# Altium PCB UmTRXv2.PcbDoc (part 14 of 25) (continued)
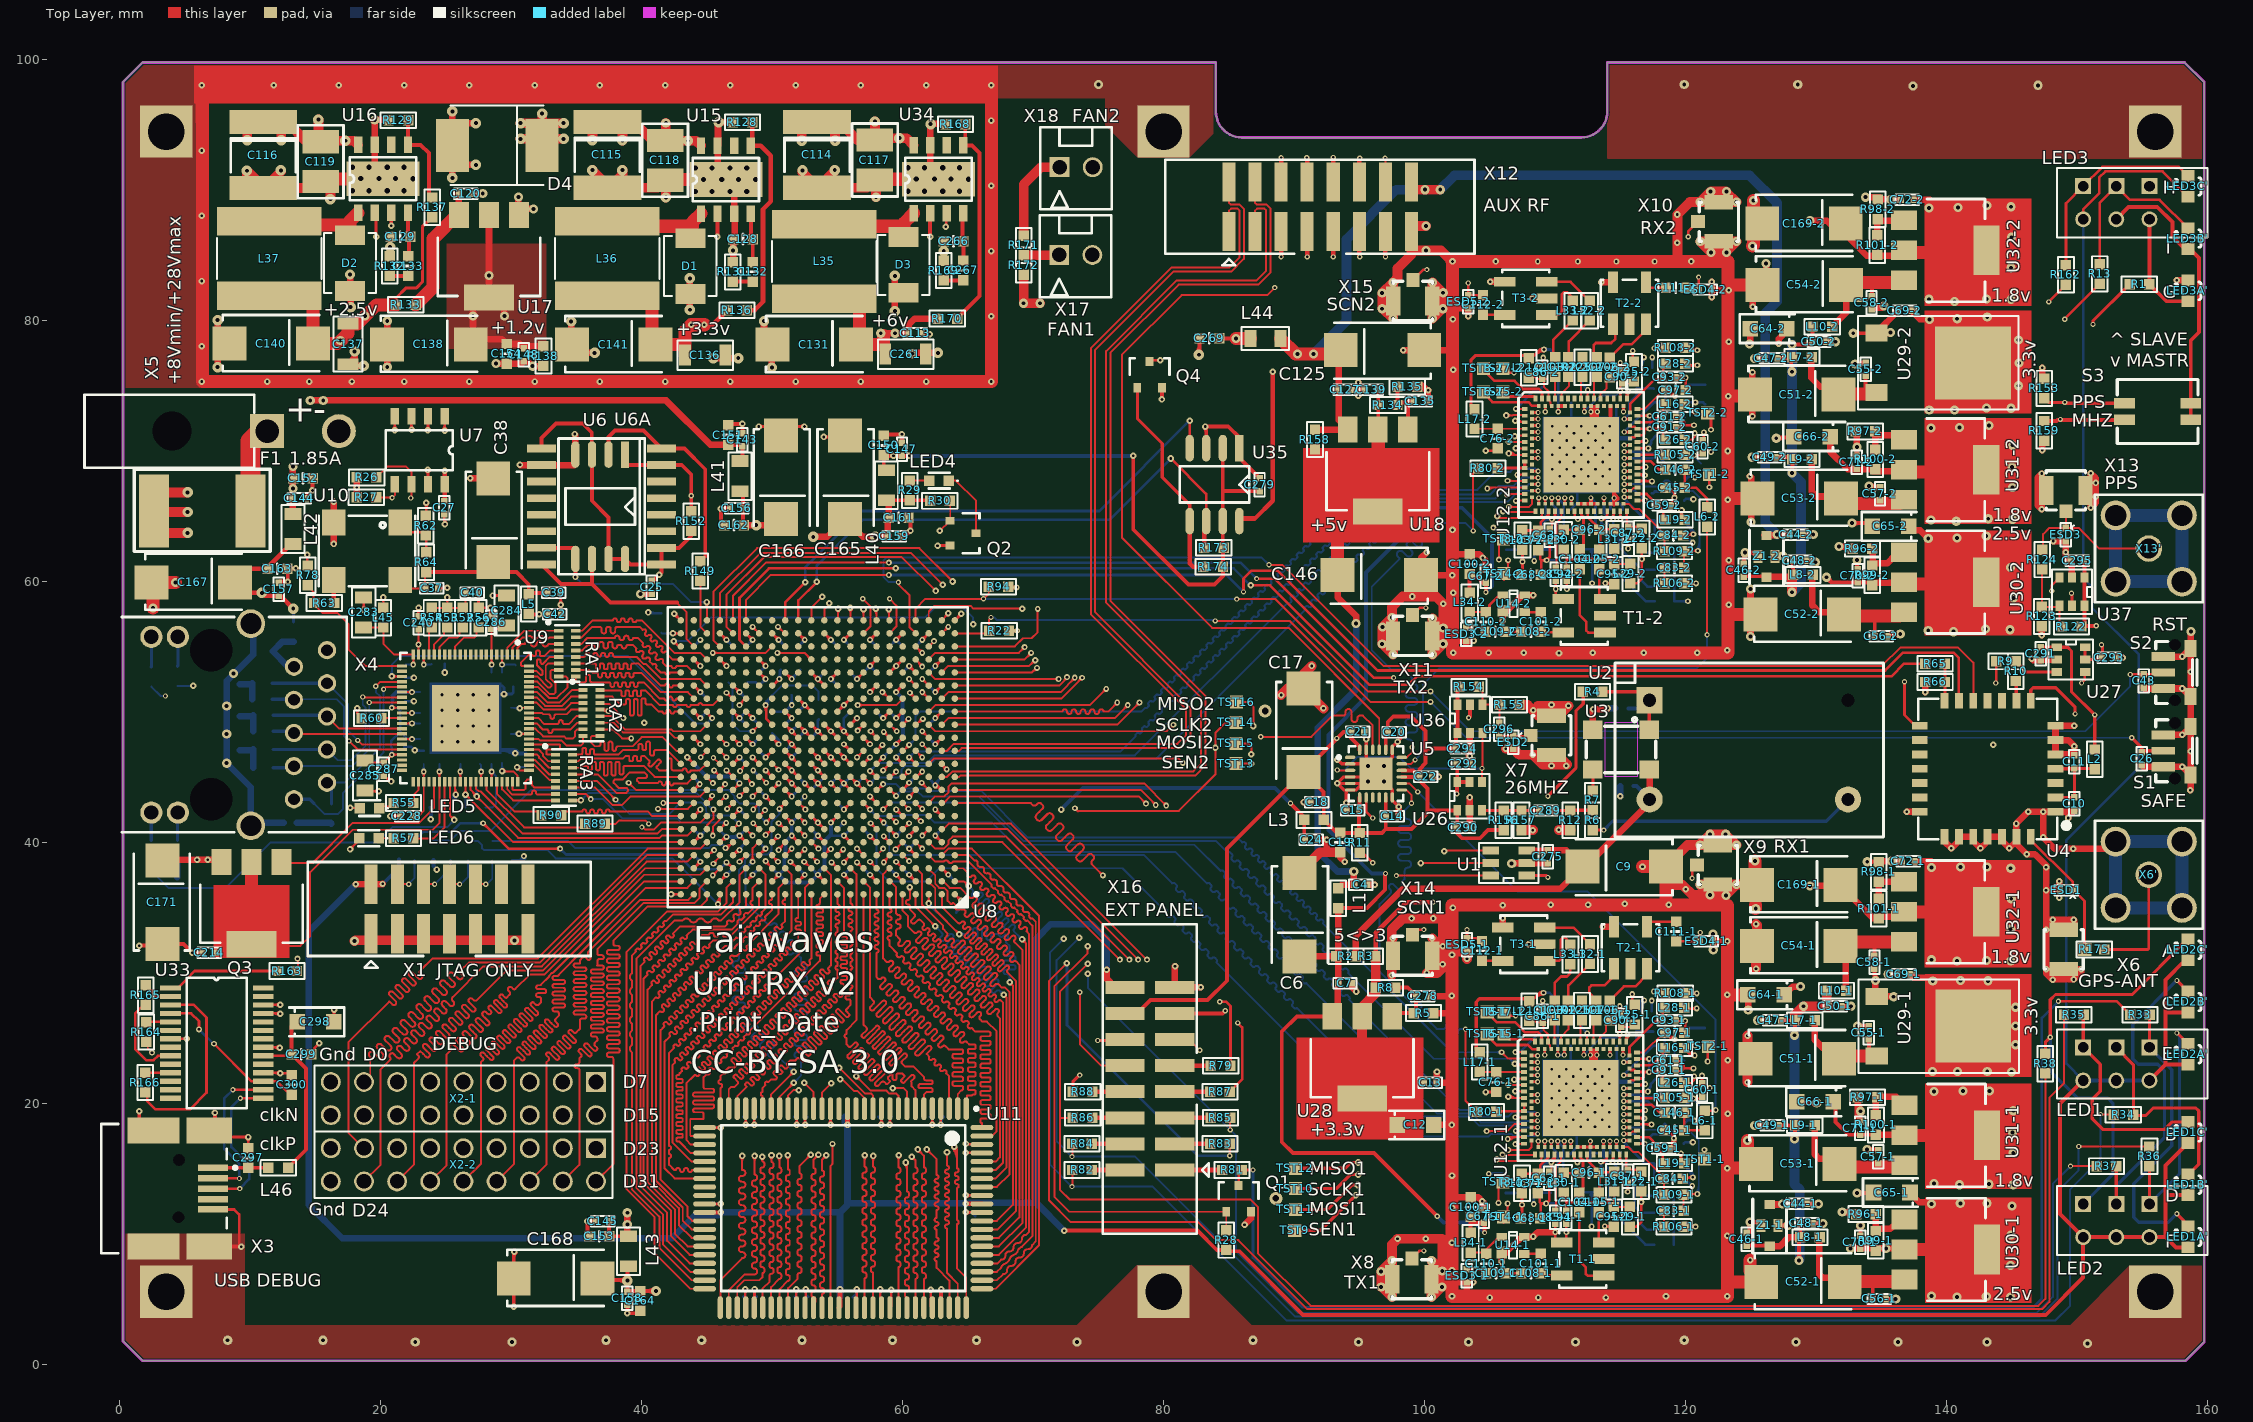
[diagram p0: Top Layer view]
## Nets (pads, with @x,y where several pads share a name; then routed paths per layer and width w, separated by ;. In a path a pad name is that pad's centre, name@x,y a point inside that pad or via, vN(x,y) a via of type N, cw(c..) or ccw(c..) an arc to the next point about the centre after c; other vN are vias at no path point) (continued)
NetR104-2_2: R104-2.2 U12-2.72 | length 6
  Top Layer w0.2: v4@115.321,69.43 U12-2.72@115.746,69.43 ; v4@115.367,69.359 cw(c115.537,69.188) 115.537,69.43 ; v4@115.367,69.359 cw(c115.537,69.188) 115.537,69.43 ; v4@115.367,69.359 cw(c115.537,69.188) 115.537,69.43 ; v4@115.367,69.501 ccw(c115.537,69.671) 115.537,69.43 ; v4@115.367,69.501 ccw(c115.537,69.671) 115.537,69.43 ; v4@115.367,69.501 ccw(c115.537,69.671) 115.537,69.43
  Bottom Layer w0.2: v4(115.296,69.43) 118.046,69.43 R104-2.2@118.446,69.03 ; v4@115.367,69.359 cw(c115.537,69.188) 115.537,69.43 ; v4@115.367,69.359 cw(c115.537,69.188) 115.537,69.43 ; v4@115.367,69.359 cw(c115.537,69.188) 115.537,69.43 ; v4@115.367,69.501 ccw(c115.537,69.671) 115.537,69.43 ; v4@115.367,69.501 ccw(c115.537,69.671) 115.537,69.43 ; v4@115.367,69.501 ccw(c115.537,69.671) 115.537,69.43
NetR105-1_2: R105-1.2 U12-1.73 | length 2.2
  Top Layer w0.2: U12-1.73@116.282,20.388 118.232,20.388 R105-1.2@118.407,20.563
NetR105-2_2: R105-2.2 U12-2.73 | length 2.2
  Top Layer w0.2: U12-2.73@116.321,69.68 118.271,69.68 R105-2.2@118.446,69.855
NetR107-1_2: R107-1.2 R114-1.1 | length 1.3
  Bottom Layer w0.2: R107-1.2@106.211,13.108 R114-1.1@107.461,13.108
NetR107-2_2: R107-2.2 R114-2.1 | length 1.3
  Bottom Layer w0.2: R107-2.2@106.25,62.4 R114-2.1@107.5,62.4
NetR108-1_2: R108-1.2 U12-1.89 | length 12.8
  Top Layer w0.2: v4@115.207,23.713 U12-1.89@115.207,24.138 ; v2(117.561,28.558) 118.311,28.558 R108-1.2@118.461,28.408 ; v4@115.136,23.759 ccw(c114.966,23.93) 115.207,23.93 ; v4@115.136,23.759 ccw(c114.966,23.93) 115.207,23.93 ; v4@115.136,23.759 ccw(c114.966,23.93) 115.207,23.93 ; 115.207,23.93 ccw(c115.448,23.93) v4@115.278,23.759 ; 115.207,23.93 ccw(c115.448,23.93) v4@115.278,23.759 ; 115.207,23.93 ccw(c115.448,23.93) v4@115.278,23.759 ; v2@117.649,28.47 cw(c117.863,28.256) 117.863,28.558 ; v2@117.649,28.47 cw(c117.863,28.256) 117.863,28.558 ; v2@117.649,28.47 cw(c117.863,28.256) 117.863,28.558 ; v2@117.649,28.647 ccw(c117.863,28.86) 117.863,28.558 ; v2@117.649,28.647 ccw(c117.863,28.86) 117.863,28.558 ; v2@117.649,28.647 ccw(c117.863,28.86) 117.863,28.558
  MidLayer1 w0.2: v4(115.207,23.688) 116.061,24.542 116.061,27.858 116.761,28.558 v2(117.561,28.558) ; v4@115.207,23.788 ccw(c115.207,24.03) 115.378,23.859 ; v4@115.207,23.788 ccw(c115.207,24.03) 115.378,23.859 ; v4@115.207,23.788 ccw(c115.207,24.03) 115.378,23.859 ; v4@115.307,23.688 cw(c115.548,23.688) 115.378,23.859 ; v4@115.307,23.688 cw(c115.548,23.688) 115.378,23.859 ; v4@115.307,23.688 cw(c115.548,23.688) 115.378,23.859 ; 117.259,28.558 cw(c117.259,28.256) v2@117.473,28.47 ; 117.259,28.558 ccw(c117.259,28.86) v2@117.473,28.647 ; 117.259,28.558 ccw(c117.259,28.86) v2@117.473,28.647 ; 117.259,28.558 cw(c117.259,28.256) v2@117.473,28.47 ; 117.259,28.558 ccw(c117.259,28.86) v2@117.473,28.647 ; 117.259,28.558 cw(c117.259,28.256) v2@117.473,28.47
NetR108-2_2: R108-2.2 U12-2.89 | length 12.8
  Top Layer w0.2: v4@115.246,73.005 U12-2.89@115.246,73.43 ; v2(117.6,77.85) 118.35,77.85 R108-2.2@118.5,77.7 ; v4@115.175,73.051 ccw(c115.005,73.221) 115.246,73.221 ; v4@115.175,73.051 ccw(c115.005,73.221) 115.246,73.221 ; v4@115.175,73.051 ccw(c115.005,73.221) 115.246,73.221 ; 115.246,73.221 ccw(c115.487,73.221) v4@115.317,73.051 ; 115.246,73.221 ccw(c115.487,73.221) v4@115.317,73.051 ; 115.246,73.221 ccw(c115.487,73.221) v4@115.317,73.051 ; v2@117.688,77.762 cw(c117.902,77.548) 117.902,77.85 ; v2@117.688,77.762 cw(c117.902,77.548) 117.902,77.85 ; v2@117.688,77.762 cw(c117.902,77.548) 117.902,77.85 ; v2@117.688,77.938 ccw(c117.902,78.152) 117.902,77.85 ; v2@117.688,77.938 ccw(c117.902,78.152) 117.902,77.85 ; v2@117.688,77.938 ccw(c117.902,78.152) 117.902,77.85
  MidLayer1 w0.2: v4(115.246,72.98) 116.1,73.834 116.1,77.15 116.8,77.85 v2(117.6,77.85) ; v4@115.246,73.08 ccw(c115.246,73.321) 115.417,73.151 ; v4@115.246,73.08 ccw(c115.246,73.321) 115.417,73.151 ; v4@115.246,73.08 ccw(c115.246,73.321) 115.417,73.151 ; v4@115.346,72.98 cw(c115.587,72.98) 115.417,73.151 ; v4@115.346,72.98 cw(c115.587,72.98) 115.417,73.151 ; v4@115.346,72.98 cw(c115.587,72.98) 115.417,73.151 ; 117.298,77.85 cw(c117.298,77.548) v2@117.512,77.762 ; 117.298,77.85 ccw(c117.298,78.152) v2@117.512,77.938 ; 117.298,77.85 ccw(c117.298,78.152) v2@117.512,77.938 ; 117.298,77.85 cw(c117.298,77.548) v2@117.512,77.762 ; 117.298,77.85 ccw(c117.298,78.152) v2@117.512,77.938 ; 117.298,77.85 cw(c117.298,77.548) v2@117.512,77.762
NetR110-1_2: R110-1.2 U12-1.52 | length 14
  Top Layer w0.2: v2(113.511,15.508) 113.761,15.508 ; U12-1.52@113.957,16.063 113.957,15.704 ; v2@113.483,15.439 ccw(c113.574,15.662) 113.744,15.491 ; v2@113.483,15.439 ccw(c113.574,15.662) 113.744,15.491 ; v2@113.483,15.439 ccw(c113.574,15.662) 113.744,15.491 ; v2@113.558,15.624 ccw(c113.697,15.964) 113.957,15.704 ; v2@113.558,15.624 ccw(c113.697,15.964) 113.957,15.704 ; v2@113.558,15.624 ccw(c113.697,15.964) 113.957,15.704 ; v2@113.611,15.433 cw(c113.761,15.321) 113.761,15.508 ; v2@113.611,15.433 cw(c113.761,15.321) 113.761,15.508 ; v2@113.611,15.433 cw(c113.761,15.321) 113.761,15.508 ; v2@113.611,15.583 ccw(c113.761,15.696) 113.761,15.508 ; v2@113.611,15.583 ccw(c113.761,15.696) 113.761,15.508 ; v2@113.611,15.583 ccw(c113.761,15.696) 113.761,15.508 ; 113.761,15.508 113.957,15.704
  Bottom Layer w0.2: v2(113.511,15.508) 113.511,15.158 114.161,14.508 114.161,11.908 116.911,9.158 R110-1.2@117.611,9.158 ; v2@113.423,15.42 cw(c113.209,15.206) 113.511,15.206 ; v2@113.423,15.42 cw(c113.209,15.206) 113.511,15.206 ; v2@113.423,15.42 cw(c113.209,15.206) 113.511,15.206 ; 113.511,15.206 cw(c113.813,15.206) v2@113.599,15.42 ; 113.511,15.206 cw(c113.813,15.206) v2@113.599,15.42 ; 113.511,15.206 cw(c113.813,15.206) v2@113.599,15.42
NetR110-2_2: R110-2.2 U12-2.52 | length 14
  Top Layer w0.2: v2(113.55,64.8) 113.8,64.8 ; U12-2.52@113.996,65.355 113.996,64.996 ; v2@113.522,64.731 ccw(c113.613,64.954) 113.783,64.783 ; v2@113.522,64.731 ccw(c113.613,64.954) 113.783,64.783 ; v2@113.522,64.731 ccw(c113.613,64.954) 113.783,64.783 ; v2@113.597,64.916 ccw(c113.736,65.256) 113.996,64.996 ; v2@113.597,64.916 ccw(c113.736,65.256) 113.996,64.996 ; v2@113.597,64.916 ccw(c113.736,65.256) 113.996,64.996 ; v2@113.65,64.725 cw(c113.8,64.613) 113.8,64.8 ; v2@113.65,64.725 cw(c113.8,64.613) 113.8,64.8 ; v2@113.65,64.725 cw(c113.8,64.613) 113.8,64.8 ; v2@113.65,64.875 ccw(c113.8,64.987) 113.8,64.8 ; v2@113.65,64.875 ccw(c113.8,64.987) 113.8,64.8 ; v2@113.65,64.875 ccw(c113.8,64.987) 113.8,64.8 ; 113.8,64.8 113.996,64.996
  Bottom Layer w0.2: v2(113.55,64.8) 113.55,64.45 114.2,63.8 114.2,61.2 116.95,58.45 R110-2.2@117.65,58.45 ; v2@113.462,64.712 cw(c113.248,64.498) 113.55,64.498 ; v2@113.462,64.712 cw(c113.248,64.498) 113.55,64.498 ; v2@113.462,64.712 cw(c113.248,64.498) 113.55,64.498 ; 113.55,64.498 cw(c113.852,64.498) v2@113.638,64.712 ; 113.55,64.498 cw(c113.852,64.498) v2@113.638,64.712 ; 113.55,64.498 cw(c113.852,64.498) v2@113.638,64.712
NetR111-1_2: R111-1.2 U12-1.51 | length 11.5
  Top Layer w0.2: U12-1.51@113.707,16.638 v4@113.707,17.063 ; v4@113.636,17.017 cw(c113.466,16.847) 113.707,16.847 ; v4@113.636,17.017 cw(c113.466,16.847) 113.707,16.847 ; v4@113.636,17.017 cw(c113.466,16.847) 113.707,16.847 ; 113.707,16.847 cw(c113.948,16.847) v4@113.778,17.017 ; 113.707,16.847 cw(c113.948,16.847) v4@113.778,17.017 ; 113.707,16.847 cw(c113.948,16.847) v4@113.778,17.017
  Bottom Layer w0.2: v4(113.707,17.088) 113.707,15.913 113.936,15.684 113.936,15.157 114.561,14.532 114.561,12.758 117.031,10.288 R111-1.2@117.607,10.288 ; v4@113.636,17.017 cw(c113.466,16.847) 113.707,16.847 ; v4@113.636,17.017 cw(c113.466,16.847) 113.707,16.847 ; v4@113.636,17.017 cw(c113.466,16.847) 113.707,16.847 ; 113.707,16.847 cw(c113.948,16.847) v4@113.778,17.017 ; 113.707,16.847 cw(c113.948,16.847) v4@113.778,17.017 ; 113.707,16.847 cw(c113.948,16.847) v4@113.778,17.017
NetR111-2_2: R111-2.2 U12-2.51 | length 11.5
  Top Layer w0.2: U12-2.51@113.746,65.93 v4@113.746,66.355 ; v4@113.675,66.309 cw(c113.505,66.138) 113.746,66.138 ; v4@113.675,66.309 cw(c113.505,66.138) 113.746,66.138 ; v4@113.675,66.309 cw(c113.505,66.138) 113.746,66.138 ; 113.746,66.138 cw(c113.987,66.138) v4@113.817,66.309 ; 113.746,66.138 cw(c113.987,66.138) v4@113.817,66.309 ; 113.746,66.138 cw(c113.987,66.138) v4@113.817,66.309
  Bottom Layer w0.2: v4(113.746,66.38) 113.746,65.205 113.975,64.976 113.975,64.449 114.6,63.824 114.6,62.05 117.07,59.58 R111-2.2@117.646,59.58 ; v4@113.675,66.309 cw(c113.505,66.138) 113.746,66.138 ; v4@113.675,66.309 cw(c113.505,66.138) 113.746,66.138 ; v4@113.675,66.309 cw(c113.505,66.138) 113.746,66.138 ; 113.746,66.138 cw(c113.987,66.138) v4@113.817,66.309 ; 113.746,66.138 cw(c113.987,66.138) v4@113.817,66.309 ; 113.746,66.138 cw(c113.987,66.138) v4@113.817,66.309
NetR112-1_2: R112-1.2 U12-1.54 | length 8.7
  Top Layer w0.2: v2(114.411,15.508) 114.311,15.508 114.457,15.654 U12-1.54@114.457,16.063 ; v2@114.323,15.597 ccw(c113.998,15.921) U12-1.54@114.457,15.921 ; v2@114.323,15.597 ccw(c113.998,15.921) U12-1.54@114.457,15.921 ; v2@114.323,15.597 ccw(c113.998,15.921) U12-1.54@114.457,15.921
  Bottom Layer w0.2: v2(114.411,15.508) 114.411,15.439 116.1,13.75 116.1,12.068 116.58,11.588 R112-1.2@117.607,11.588 ; v2@114.536,15.508 ccw(c115.005,15.508) 114.673,15.177 ; v2@114.536,15.508 ccw(c115.005,15.508) 114.673,15.177 ; v2@114.536,15.508 ccw(c115.005,15.508) 114.673,15.177
NetR112-2_2: R112-2.2 U12-2.54 | length 9.1
  Top Layer w0.2: v2(114.45,64.8) 114.35,64.8 114.496,64.946 U12-2.54@114.496,65.355 ; v2@114.362,64.888 ccw(c114.037,65.213) U12-2.54@114.496,65.213 ; v2@114.362,64.888 ccw(c114.037,65.213) U12-2.54@114.496,65.213 ; v2@114.362,64.888 ccw(c114.037,65.213) U12-2.54@114.496,65.213
  Bottom Layer w0.2: v2(114.45,64.8) 114.45,64.399 114.9,63.949 114.9,62.599 116.619,60.88 R112-2.2@117.646,60.88 ; v2@114.362,64.712 cw(c114.148,64.498) 114.45,64.498 ; v2@114.362,64.712 cw(c114.148,64.498) 114.45,64.498 ; v2@114.362,64.712 cw(c114.148,64.498) 114.45,64.498 ; 114.45,64.498 cw(c114.752,64.498) v2@114.538,64.712 ; 114.45,64.498 cw(c114.752,64.498) v2@114.538,64.712 ; 114.45,64.498 cw(c114.752,64.498) v2@114.538,64.712
NetR113-1_2: R113-1.2 U12-1.56 | length 7.5
  Top Layer w0.2: U12-1.56@114.957,16.063 114.957,15.512 v2(114.961,15.508) ; v2@114.873,15.597 ccw(c114.669,15.8) 114.957,15.8 ; v2@114.873,15.597 ccw(c114.669,15.8) 114.957,15.8 ; v2@114.873,15.597 ccw(c114.669,15.8) 114.957,15.8 ; 114.957,15.82 ccw(c115.273,15.82) v2@115.049,15.597 ; 114.957,15.82 ccw(c115.273,15.82) v2@115.049,15.597 ; 114.957,15.82 ccw(c115.273,15.82) v2@115.049,15.597
  Bottom Layer w0.2: v2(114.961,15.508) 116.661,13.808 116.661,13.208 116.981,12.888 R113-1.2@117.607,12.888 ; v2@114.961,15.383 cw(c114.961,15.081) 115.174,15.295 ; v2@114.961,15.383 cw(c114.961,15.081) 115.174,15.295 ; v2@114.961,15.383 cw(c114.961,15.081) 115.174,15.295 ; v2@115.086,15.508 ccw(c115.388,15.508) 115.174,15.295 ; v2@115.086,15.508 ccw(c115.388,15.508) 115.174,15.295 ; v2@115.086,15.508 ccw(c115.388,15.508) 115.174,15.295
NetR113-2_2: R113-2.2 U12-2.56 | length 7.7
  Top Layer w0.2: U12-2.56@114.996,65.355 114.996,64.804 v2(115,64.8) ; v2@114.912,64.888 ccw(c114.708,65.092) 114.996,65.092 ; v2@114.912,64.888 ccw(c114.708,65.092) 114.996,65.092 ; v2@114.912,64.888 ccw(c114.708,65.092) 114.996,65.092 ; 114.996,65.112 ccw(c115.312,65.112) v2@115.088,64.888 ; 114.996,65.112 ccw(c115.312,65.112) v2@115.088,64.888 ; 114.996,65.112 ccw(c115.312,65.112) v2@115.088,64.888
  Bottom Layer w0.2: v2(115,64.8) 115.45,64.8 116.7,63.55 116.7,62.5 117.02,62.18 R113-2.2@117.646,62.18 ; v2@115.088,64.712 cw(c115.302,64.498) 115.302,64.8 ; v2@115.088,64.712 cw(c115.302,64.498) 115.302,64.8 ; v2@115.088,64.712 cw(c115.302,64.498) 115.302,64.8 ; v2@115.088,64.888 ccw(c115.302,65.102) 115.302,64.8 ; v2@115.088,64.888 ccw(c115.302,65.102) 115.302,64.8 ; v2@115.088,64.888 ccw(c115.302,65.102) 115.302,64.8
NetR114-1_2: R114-1.2 U12-1.39 | length 10.8
  Top Layer w0.2: U12-1.39@110.707,16.638 v4@110.707,17.063 ; v4@110.636,17.017 cw(c110.466,16.847) 110.707,16.847 ; v4@110.636,17.017 cw(c110.466,16.847) 110.707,16.847 ; v4@110.636,17.017 cw(c110.466,16.847) 110.707,16.847 ; 110.707,16.847 cw(c110.948,16.847) v4@110.778,17.017 ; 110.707,16.847 cw(c110.948,16.847) v4@110.778,17.017 ; 110.707,16.847 cw(c110.948,16.847) v4@110.778,17.017
  Mid-Layer 2 w0.2: v2(107.511,13.858) 107.477,13.858 110.307,16.688 110.373,16.688 110.707,17.022 v4(110.707,17.088) ; v2@107.511,13.983 ccw(c107.511,14.203) 107.667,14.048 ; v2@107.511,13.983 ccw(c107.511,14.203) 107.667,14.048 ; v2@107.511,13.983 ccw(c107.511,14.203) 107.667,14.048 ; v2@107.636,13.858 cw(c108.02,13.858) 107.748,14.129 ; v2@107.636,13.858 cw(c108.02,13.858) 107.748,14.129 ; v2@107.636,13.858 cw(c108.02,13.858) 107.748,14.129 ; 110.49,16.805 ccw(c110.207,17.088) v4@110.607,17.088 ; 110.49,16.805 ccw(c110.207,17.088) v4@110.607,17.088 ; 110.49,16.805 ccw(c110.207,17.088) v4@110.607,17.088
  Bottom Layer w0.2: R114-1.2@107.461,14.608 107.511,14.558 v2(107.511,13.858) ; v2@107.423,13.947 ccw(c107.209,14.16) 107.511,14.16 ; v2@107.423,13.947 ccw(c107.209,14.16) 107.511,14.16 ; v2@107.423,13.947 ccw(c107.209,14.16) 107.511,14.16 ; 107.511,14.16 ccw(c107.813,14.16) v2@107.599,13.947 ; 107.511,14.16 ccw(c107.813,14.16) v2@107.599,13.947 ; 107.511,14.16 ccw(c107.813,14.16) v2@107.599,13.947
NetR114-2_2: R114-2.2 U12-2.39 | length 10.8
  Top Layer w0.2: U12-2.39@110.746,65.93 v4@110.746,66.355 ; v4@110.675,66.309 cw(c110.505,66.138) 110.746,66.138 ; v4@110.675,66.309 cw(c110.505,66.138) 110.746,66.138 ; v4@110.675,66.309 cw(c110.505,66.138) 110.746,66.138 ; 110.746,66.138 cw(c110.987,66.138) v4@110.817,66.309 ; 110.746,66.138 cw(c110.987,66.138) v4@110.817,66.309 ; 110.746,66.138 cw(c110.987,66.138) v4@110.817,66.309
  Mid-Layer 2 w0.2: v2(107.55,63.15) 107.516,63.15 110.346,65.98 110.412,65.98 110.746,66.314 v4(110.746,66.38) ; v2@107.55,63.275 ccw(c107.55,63.495) 107.706,63.339 ; v2@107.55,63.275 ccw(c107.55,63.495) 107.706,63.339 ; v2@107.55,63.275 ccw(c107.55,63.495) 107.706,63.339 ; v2@107.675,63.15 cw(c108.059,63.15) 107.787,63.421 ; v2@107.675,63.15 cw(c108.059,63.15) 107.787,63.421 ; v2@107.675,63.15 cw(c108.059,63.15) 107.787,63.421 ; 110.529,66.097 ccw(c110.246,66.38) v4@110.646,66.38 ; 110.529,66.097 ccw(c110.246,66.38) v4@110.646,66.38 ; 110.529,66.097 ccw(c110.246,66.38) v4@110.646,66.38
  Bottom Layer w0.2: R114-2.2@107.5,63.9 107.55,63.85 v2(107.55,63.15) ; v2@107.462,63.238 ccw(c107.248,63.452) 107.55,63.452 ; v2@107.462,63.238 ccw(c107.248,63.452) 107.55,63.452 ; v2@107.462,63.238 ccw(c107.248,63.452) 107.55,63.452 ; 107.55,63.452 ccw(c107.852,63.452) v2@107.638,63.238 ; 107.55,63.452 ccw(c107.852,63.452) v2@107.638,63.238 ; 107.55,63.452 ccw(c107.852,63.452) v2@107.638,63.238
NetR122_1: R122.1 R123.1 R124.2 U37.4 | length 6.2
  Top Layer w0.15: R123.1@147.05,58.025 148.577,58.025 U37.4@148.662,58.11 148.662,56.688 R122.1@148.825,56.525 ; R123.1@147.3,58.05 R124.2@147.3,60.925
NetR125-1_1: R125-1.1 U12-1.100 | length 10.1
  Top Layer w0.15: v2(112.061,27.158) R125-1.1@112.061,27.858 ; U12-1.100@112.457,24.713 112.457,25.304 112.461,25.308 v2(112.461,25.358) ; v2@111.955,27.264 ccw(c111.699,27.52) R125-1.1@112.061,27.52 ; v2@111.955,27.264 ccw(c111.699,27.52) R125-1.1@112.061,27.52 ; v2@111.955,27.264 ccw(c111.699,27.52) R125-1.1@112.061,27.52 ; R125-1.1@112.061,27.52 ccw(c112.423,27.52) v2@112.167,27.264 ; R125-1.1@112.061,27.52 ccw(c112.423,27.52) v2@112.167,27.264 ; R125-1.1@112.061,27.52 ccw(c112.423,27.52) v2@112.167,27.264 ; v2@112.355,25.252 cw(c112.109,25.006) 112.457,25.006 ; v2@112.355,25.252 cw(c112.109,25.006) 112.457,25.006 ; v2@112.355,25.252 cw(c112.109,25.006) 112.457,25.006 ; 112.457,24.986 cw(c112.833,24.986) v2@112.567,25.252 ; 112.457,24.986 cw(c112.833,24.986) v2@112.567,25.252 ; 112.457,24.986 cw(c112.833,24.986) v2@112.567,25.252
  Bottom Layer w0.15: v2(112.061,27.158) 112.061,25.758 v2(112.461,25.358) ; v2@111.955,27.052 cw(c111.699,26.796) 112.061,26.796 ; v2@111.955,27.052 cw(c111.699,26.796) 112.061,26.796 ; v2@111.955,27.052 cw(c111.699,26.796) 112.061,26.796 ; 112.061,26.796 cw(c112.423,26.796) v2@112.167,27.052 ; 112.061,26.796 cw(c112.423,26.796) v2@112.167,27.052 ; 112.061,26.796 cw(c112.423,26.796) v2@112.167,27.052 ; 112.205,25.614 cw(c111.949,25.358) v2@112.311,25.358 ; 112.205,25.614 ccw(c112.461,25.87) v2@112.461,25.508 ; 112.205,25.614 ccw(c112.461,25.87) v2@112.461,25.508 ; 112.205,25.614 cw(c111.949,25.358) v2@112.311,25.358 ; 112.205,25.614 ccw(c112.461,25.87) v2@112.461,25.508 ; 112.205,25.614 cw(c111.949,25.358) v2@112.311,25.358
NetR125-1_2: R125-1.2 U12-1.102 | length 1.7
  Top Layer w0.15: U12-1.102@111.957,24.713 111.957,26.254 R125-1.2@112.061,26.358
NetR125-2_1: R125-2.1 U12-2.100 | length 10.1
  Top Layer w0.15: v2(112.1,76.45) R125-2.1@112.1,77.15 ; U12-2.100@112.496,74.005 112.496,74.596 112.5,74.6 v2(112.5,74.65) ; v2@111.994,76.556 ccw(c111.738,76.812) R125-2.1@112.1,76.812 ; v2@111.994,76.556 ccw(c111.738,76.812) R125-2.1@112.1,76.812 ; v2@111.994,76.556 ccw(c111.738,76.812) R125-2.1@112.1,76.812 ; R125-2.1@112.1,76.812 ccw(c112.462,76.812) v2@112.206,76.556 ; R125-2.1@112.1,76.812 ccw(c112.462,76.812) v2@112.206,76.556 ; R125-2.1@112.1,76.812 ccw(c112.462,76.812) v2@112.206,76.556 ; v2@112.394,74.544 cw(c112.148,74.298) 112.496,74.298 ; v2@112.394,74.544 cw(c112.148,74.298) 112.496,74.298 ; v2@112.394,74.544 cw(c112.148,74.298) 112.496,74.298 ; 112.496,74.278 cw(c112.872,74.278) v2@112.606,74.544 ; 112.496,74.278 cw(c112.872,74.278) v2@112.606,74.544 ; 112.496,74.278 cw(c112.872,74.278) v2@112.606,74.544
  Bottom Layer w0.15: v2(112.1,76.45) 112.1,75.05 v2(112.5,74.65) ; v2@111.994,76.344 cw(c111.738,76.088) 112.1,76.088 ; v2@111.994,76.344 cw(c111.738,76.088) 112.1,76.088 ; v2@111.994,76.344 cw(c111.738,76.088) 112.1,76.088 ; 112.1,76.088 cw(c112.462,76.088) v2@112.206,76.344 ; 112.1,76.088 cw(c112.462,76.088) v2@112.206,76.344 ; 112.1,76.088 cw(c112.462,76.088) v2@112.206,76.344 ; 112.244,74.906 cw(c111.988,74.65) v2@112.35,74.65 ; 112.244,74.906 ccw(c112.5,75.162) v2@112.5,74.8 ; 112.244,74.906 ccw(c112.5,75.162) v2@112.5,74.8 ; 112.244,74.906 cw(c111.988,74.65) v2@112.35,74.65 ; 112.244,74.906 ccw(c112.5,75.162) v2@112.5,74.8 ; 112.244,74.906 cw(c111.988,74.65) v2@112.35,74.65
NetR125-2_2: R125-2.2 U12-2.102 | length 1.7
  Top Layer w0.15: U12-2.102@111.996,74.005 111.996,75.546 R125-2.2@112.1,75.65
NetR128_2: R128.2 R136.2 U15.5 | length 16.6
  Top Layer w0.35: R136.2@48.05,80.75 48.65,80.75 49.3,81.4 49.3,88.5 49.9,89.1 49.9,92.6 49.12,93.38 U15.5@48.355,93.38 ; U15.5@48.475,93.405 R128.2@48.475,95.175
NetR129_2: R129.2 R137.2 U16.5 | length 7.1
  Top Layer w0.3: U16.5@22.088,93.439 23.061,93.439 23.7,92.8 R137.2@23.7,89.4 ; U16.5@22.1,93.489 R129.2@22.1,95.325
NetR149_2: R149.2 U6.2 U6A.8 | length 18.1
  Top Layer w0.15: U6A.8@40.805,70.17 U6A.8@41.525,70.17
  Top Layer w0.3: U6.2@37.46,69.7 37.46,71.06 37.95,71.55 40.145,71.55 41.52,70.175 43.275,70.175 44.875,68.575 44.875,61.9 R149.2@44.5,61.525
NetR163_2: R163.2 U33.1 | length 8.7
  Top Layer w0.2: U33.1@3.9,28.825 4.45,28.825 5.75,30.125 R163.2@12.075,30.125
NetR164_2: R164.2 U33.5 | length 1.7
  Top Layer w0.2: R164.2@2.2,26.225 U33.5@3.9,26.225
NetR165_1: R165.1 U33.2 | length 2.2
  Top Layer w0.2: R165.1@2,29 2.825,28.175 U33.2@3.9,28.175
NetR165_2: R165.2 U33.9 | length 7
  Top Layer w0.2: R165.2@1.975,27.462 1.762,27.462 1.2,26.9 1.2,24.125 2.025,23.3 2.6,23.3 2.925,23.625 U33.9@3.9,23.625
NetR166_1: R166.1 U33.3 | length 14.9
  Top Layer w0.2: R166.1@2.1,20.825 2.1,20.175 2.75,19.525 5.375,19.525 6.65,20.8 6.65,26.55 5.675,27.525 U33.3@3.9,27.525
NetR166_2: R166.2 U33.11 | length 1.8
  Top Layer w0.2: R166.2@2.1,22.325 U33.11@3.9,22.325
NetR168_2: R168.2 R170.2 U34.5 | length 16.5
  Top Layer w0.3: R170.2@64.175,80.125 65.9,81.85 65.9,92.8 65.3,93.4 U34.5@64.8,93.4 ; U34.5@64.655,93.405 64.66,93.4 U34.5@64.8,93.4 ; U34.5@64.8,93.375 U34.5@64.8,93.4 ; R168.2@64.8,95.025 U34.5@64.8,93.4
NetR171_2: R171.2 R172.2 X17.1 | length 2.7
  Top Layer w0.75: R171.2@69.275,84.975 71.975,84.975 X17.1@72,85
NetR175_1: R175.1 X6'.1 | length 9.1
  Top Layer w0.2: R175.1@152.075,31.775 155.425,31.775 155.5,31.85 X6'.1@155.5,37.5
NetRA1_1: RA1.1 U9.3 | length 5
  Top Layer w0.15: U9.3@29.7,54.375 29.7,54.9 31,56.2 RA1.1@33.65,56.2
NetRA1_2: RA1.2 U9.2 | length 4.6
  Top Layer w0.15: U9.2@30.1,54.375 30.1,54.9 30.9,55.7 31.15,55.7 cw(c31.375,55.497) 31.6,55.7 ccw(c31.825,55.903) 32.05,55.7 cw(c32.275,55.497) 32.5,55.7 ccw(c32.725,55.903) 32.95,55.7 RA1.2@33.65,55.7
NetRA1_3: RA1.3 U9.1 | length 4.6
  Top Layer w0.15: U9.1@30.5,54.375 30.5,54.9 30.8,55.2 31.05,55.2 cw(c31.275,55.173) 31.5,55.2 ccw(c31.725,55.227) 31.95,55.2 cw(c32.175,55.173) 32.4,55.2 ccw(c32.625,55.227) 32.85,55.2 RA1.3@33.65,55.2
NetRA1_4: RA1.4 U9.84 | length 4.9
  Top Layer w0.15: U9.84@31.375,53.5 30.8,53.5 30.75,53.55 30.75,53.75 31.35,54.35 31.604,54.35 31.704,54.25 31.75,54.25 ccw(c31.75,54.4) 31.9,54.4 31.9,54.547 cw(c32.05,54.547) 32.05,54.697 cw(c32.05,54.547) 32.2,54.547 32.2,54.4 ccw(c32.35,54.4) 32.35,54.25 32.55,54.25 33,54.7 RA1.4@33.65,54.7
NetRA1_5: RA1.5 U9.83 | length 4.6
  Top Layer w0.15: U9.83@31.375,53.1 31.95,53.1 32.25,52.8 32.35,52.8 32.4,52.85 32.4,53.15 31.975,53.575 31.975,53.925 32.05,54 32.2,54 32.25,53.95 32.25,53.75 32.35,53.65 32.4,53.65 32.95,54.2 RA1.5@33.65,54.2
NetRA1_6: RA1.6 U9.82 | length 4.9
  Top Layer w0.15: U9.82@31.375,52.7 31.996,52.7 32.846,51.85 32.95,51.85 33.1,52 33.1,52.05 32.65,52.5 32.65,53.5 32.85,53.7 RA1.6@33.65,53.7
NetRA1_7: RA1.7 U9.81 | length 4.9
  Top Layer w0.15: U9.81@31.375,52.3 32.004,52.3 32.954,51.35 33.25,51.35 33.4,51.5 33.4,52.15 33,52.55 33,53.1 33.1,53.2 RA1.7@33.65,53.2
NetRA1_8: RA1.8 U9.80 | length 5
  Top Layer w0.15: U9.80@31.375,51.9 32.05,51.9 32.9,51.05 33.5,51.05 34.3,51.85 34.3,52.6 34.2,52.7 RA1.8@33.65,52.7
NetRA2_1: RA2.1 U9.79 | length 4.8
  Top Layer w0.15: U9.79@31.375,51.5 32,51.5 32.8,50.7 33.7,50.7 34.65,51.65 RA2.1@35.5,51.65
NetRA2_2: RA2.2 U9.78 | length 4.7
  Top Layer w0.15: U9.78@31.375,51.1 31.95,51.1 32.6,50.45 33.9,50.45 34.6,51.15 RA2.2@35.5,51.15
NetRA2_3: RA2.3 U9.77 | length 4.6
  Top Layer w0.15: U9.77@31.375,50.7 31.95,50.7 32.5,50.15 34.1,50.15 34.6,50.65 RA2.3@35.5,50.65
NetRA2_4: RA2.4 U9.75 | length 4.8
  Top Layer w0.15: U9.75@31.375,49.9 32.35,49.9 32.45,49.8 32.865,49.8 cw(c32.865,49.665) 33,49.665 33,49.587 ccw(c33.135,49.587) 33.135,49.452 33.165,49.452 ccw(c33.165,49.587) 33.3,49.587 33.3,49.665 cw(c33.435,49.665) 33.435,49.8 34.25,49.8 34.6,50.15 RA2.4@35.5,50.15
NetRA2_5: RA2.5 U9.74 | length 4.9
  Top Layer w0.15: U9.74@31.375,49.5 32.1,49.5 32.55,49.05 33.515,49.05 ccw(c33.515,49.185) 33.65,49.185 33.65,49.215 cw(c33.785,49.215) 33.785,49.35 33.815,49.35 cw(c33.815,49.215) 33.95,49.215 33.95,49.185 ccw(c34.085,49.185) 34.085,49.05 34.4,49.05 35,49.65 RA2.5@35.5,49.65
NetRA2_6: RA2.6 U9.73 | length 4.9
  Top Layer w0.15: U9.73@31.375,49.1 31.95,49.1 32.4,48.65 32.715,48.65 cw(c32.715,48.515) 32.85,48.515 32.85,48.485 ccw(c32.985,48.485) 32.985,48.35 33.015,48.35 ccw(c33.015,48.485) 33.15,48.485 33.15,48.515 cw(c33.285,48.515) 33.285,48.65 34.55,48.65 35.05,49.15 RA2.6@35.5,49.15
NetRA2_7: RA2.7 U9.72 | length 5
  Top Layer w0.15: U9.72@31.375,48.7 31.85,48.7 32.45,48.1 34.05,48.1 34.2,47.95 34.75,47.95 34.9,48.1 34.9,48.5 35.05,48.65 RA2.7@35.5,48.65
NetRA2_8: RA2.8 U9.70 | length 5
  Top Layer w0.15: U9.70@31.375,47.9 32.1,47.9 32.2,47.8 33.85,47.8 34.25,47.4 35.35,47.4 35.5,47.55 RA2.8@35.5,48.15
NetRA3_1: RA3.1 U9.69 | length 4.8
  Top Layer w0.15: U9.69@31.375,47.5 33.7,47.5 33.75,47.45 33.75,47.15 33.7,47.1 32.75,47.1 32.7,47.05 32.7,46.75 32.75,46.7 RA3.1@33.4,46.7
NetRA3_2: RA3.2 U9.68 | length 2.5
  Top Layer w0.15: U9.68@31.375,47.1 32.1,47.1 32.45,46.75 32.45,46.6 32.85,46.2 RA3.2@33.4,46.2
NetRA3_3: RA3.3 U9.67 | length 2.5
  Top Layer w0.15: U9.67@31.375,46.7 32,46.7 32.15,46.55 32.15,46.45 32.9,45.7 RA3.3@33.4,45.7
NetRA3_4: RA3.4 U9.66 | length 2.5
  Top Layer w0.15: U9.66@31.375,46.3 31.8,46.3 32.9,45.2 RA3.4@33.4,45.2
NetRA3_5: RA3.5 U9.65 | length 2.5
  Top Layer w0.15: U9.65@31.375,45.9 31.8,45.9 32.95,44.75 RA3.5@33.35,44.75
NetRA3_6: RA3.6 U9.62 | length 5
  Top Layer w0.15: U9.62@30.1,44.625 30.1,44.05 30.15,44 31,44 31.1,44.1 31.1,44.65 31.25,44.8 31.446,44.8 31.5,44.746 31.5,44.743 31.6,44.643 31.6,44.35 31.75,44.2 RA3.6@33.4,44.2
NetRA3_7: RA3.7 U9.61 | length 4.8
  Top Layer w0.15: U9.61@29.7,44.625 29.7,44.05 30.1,43.65 31.465,43.65 ccw(c31.465,43.785) 31.6,43.785 31.6,43.815 cw(c31.735,43.815) 31.735,43.95 31.765,43.95 cw(c31.765,43.815) 31.9,43.815 31.9,43.785 ccw(c32.035,43.785) 32.035,43.65 33.35,43.65 RA3.7@33.4,43.7
NetRA3_8: RA3.8 U9.60 | length 5
  Top Layer w0.15: U9.60@29.3,44.625 29.3,44.05 30.15,43.2 RA3.8@33.4,43.2
NetTST1-1_1: TST1-1.1 U12-1.65 | length 10.2
  Top Layer w0.2: U12-1.65@116.282,18.388 116.941,18.388 116.961,18.368 117.386,18.368 v2(117.386,18.358) ; 117.062,18.368 cw(c117.062,18.034) v2@117.298,18.27 ; 117.062,18.368 cw(c117.062,18.034) v2@117.298,18.27 ; 117.062,18.368 cw(c117.062,18.034) v2@117.298,18.27 ; 117.107,18.368 ccw(c117.107,18.637) v2@117.298,18.447 ; 117.107,18.368 ccw(c117.107,18.637) v2@117.298,18.447 ; 117.107,18.368 ccw(c117.107,18.637) v2@117.298,18.447
  MidLayer1 w0.2: v2@117.342,18.408 119.782,18.408 121.016,17.174 121.016,16.852 v2@121.461,16.407 ; v2@117.474,18.27 cw(c117.809,17.936) 117.809,18.408 ; v2@117.474,18.27 cw(c117.809,17.936) 117.809,18.408 ; v2@117.474,18.27 cw(c117.809,17.936) 117.809,18.408 ; 121.23,16.638 cw(c121.016,16.425) v2@121.318,16.425 ; 121.23,16.638 ccw(c121.443,16.851) v2@121.443,16.55 ; 121.23,16.638 ccw(c121.443,16.851) v2@121.443,16.55 ; 121.23,16.638 cw(c121.016,16.425) v2@121.318,16.425 ; 121.23,16.638 ccw(c121.443,16.851) v2@121.443,16.55 ; 121.23,16.638 cw(c121.016,16.425) v2@121.318,16.425
  other v2: 121.443,16.425
NetTST1-2_1: TST1-2.1 U12-2.65 | length 9.3
  Top Layer w0.2: U12-2.65@116.321,67.68 116.98,67.68 117,67.659 117.425,67.659 v2(117.425,67.65) ; v2(121.825,67.2) TST1-2.1@121.825,68.175 ; 117.101,67.659 cw(c117.101,67.326) v2@117.337,67.562 ; 117.101,67.659 cw(c117.101,67.326) v2@117.337,67.562 ; 117.101,67.659 cw(c117.101,67.326) v2@117.337,67.562 ; 117.146,67.659 ccw(c117.146,67.929) v2@117.337,67.738 ; 117.146,67.659 ccw(c117.146,67.929) v2@117.337,67.738 ; 117.146,67.659 ccw(c117.146,67.929) v2@117.337,67.738
  MidLayer1 w0.2: v2@117.381,67.7 120.025,67.7 120.525,67.2 v2(121.825,67.2) ; v2@117.513,67.562 cw(c117.847,67.228) 117.847,67.7 ; v2@117.513,67.562 cw(c117.847,67.228) 117.847,67.7 ; v2@117.513,67.562 cw(c117.847,67.228) 117.847,67.7
NetTST2-1_1: TST2-1.1 U12-1.77 | length 11.2
  Top Layer w0.2: U12-1.77@116.282,21.388 116.841,21.388 v2(116.911,21.458) ; v2(121.686,23.189) 121.686,24.125 TST2-1.1@121.911,24.35 ; U12-1.77@116.44,21.388 ccw(c116.44,21.929) v2@116.823,21.547 ; U12-1.77@116.44,21.388 ccw(c116.44,21.929) v2@116.823,21.547 ; U12-1.77@116.44,21.388 ccw(c116.44,21.929) v2@116.823,21.547
  MidLayer1 w0.2: v2(116.911,21.458) 121.518,21.458 121.875,21.815 121.875,23 v2(121.686,23.189) ; v2@116.999,21.37 cw(c117.213,21.156) 117.213,21.458 ; v2@116.999,21.37 cw(c117.213,21.156) 117.213,21.458 ; v2@116.999,21.37 cw(c117.213,21.156) 117.213,21.458 ; v2@116.999,21.547 ccw(c117.213,21.76) 117.213,21.458 ; v2@116.999,21.547 ccw(c117.213,21.76) 117.213,21.458 ; v2@116.999,21.547 ccw(c117.213,21.76) 117.213,21.458